# Altium PCB Fri3D_2020_03.PcbDoc (part 3 of 3)
Units mm, origin at the board's own origin, x right, y up, seen from the top; angles counter-clockwise.
Board outline 134.73 x 117.95 mm, 2 copper layers (Top Layer, Bottom Layer), stack 1.571 mm thick; 120 components, 88 nets, 479 pads, 206 vias.
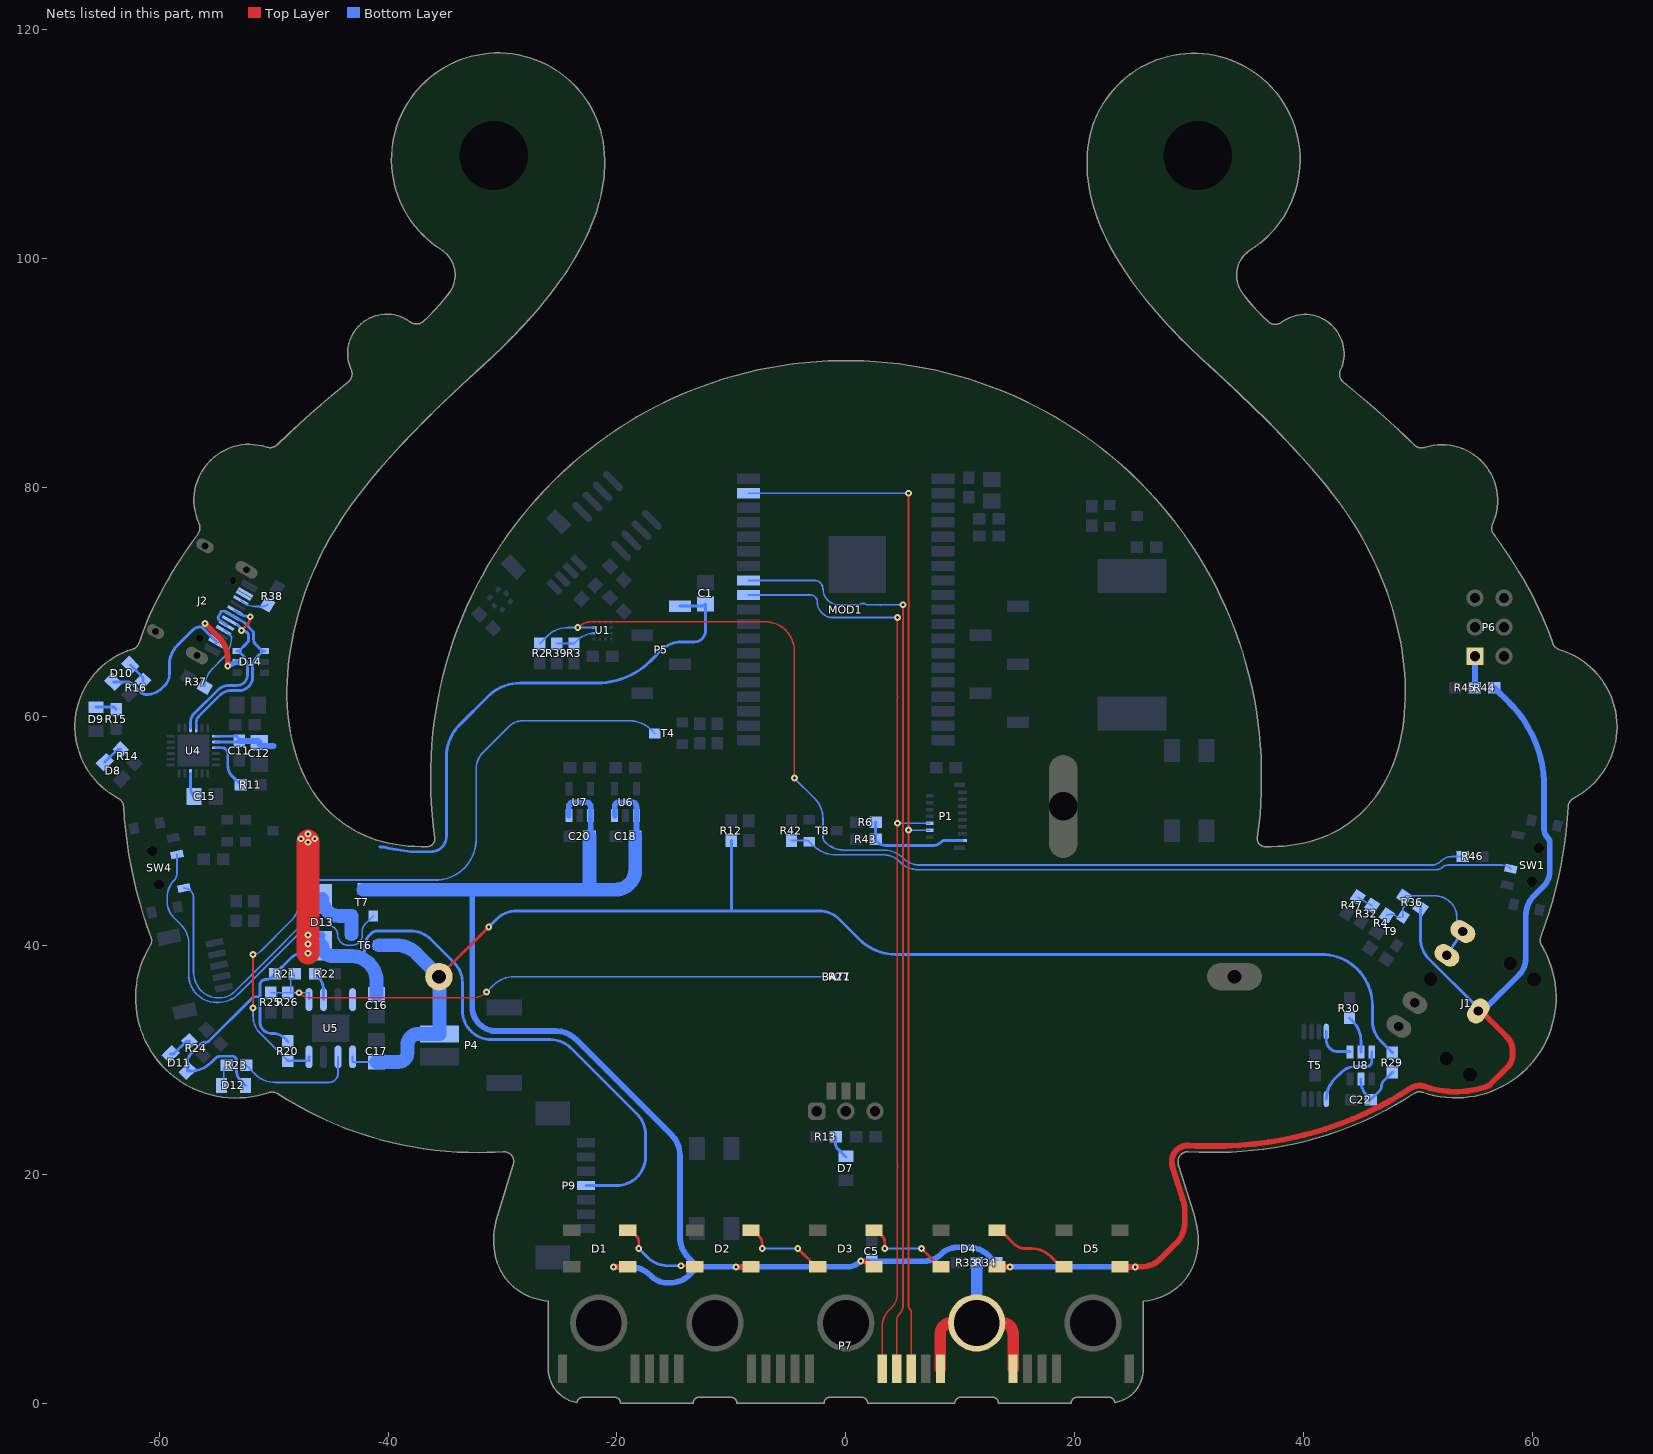
[diagram p3: the nets of this part, all layers, seen from the top]

## Via types
v1: diameter 0.6, hole 0.25, Top Layer to Bottom Layer, tented top, 206 vias

## Nets (pads, with @x,y where several pads share a name; then routed paths per layer and width w, separated by ;. In a path a pad name is that pad's centre, name@x,y a point inside that pad or via, vN(x,y) a via of type N, cw(c..) or ccw(c..) an arc to the next point about the centre after c; other vN are vias at no path point) (continued)
NetC22_1: C22.1 R29.2 U8.5 | length 5.2
  Bottom Layer w0.25: U8.5@45,28.325 44.98,28.269 ccw(c47.252,28.269) 45.807,26.515 C22.1@45.85,26.5 46.623,27.273 ccw(c46.196,27.7) 46.8,27.7 cw(c47.404,27.7) 46.977,28.127 R29.2@47.75,28.9
NetD1_2: D1.2 D2.4 | length 7.5
  Top Layer w0.25: D1.2@-19.05,15.1 cw(c-19.05,14.496) -18.623,14.923 -18.3,14.6 cw(c-18.783,14.117) -18.1,14.117 v1(-18.1,13.5) ; v1(-14.4,12) -13.441,12 cw(c-13.441,11.659) D2.4@-13.2,11.9
  Bottom Layer w0.25: v1(-18.1,13.5) -17.344,12.744 ccw(c-15.548,14.54) -15.548,12 v1(-14.4,12)
NetD2_2: D2.2 D3.4 | length 7.6
  Top Layer w0.15: D3.4@-2.706,12.006 ccw(c-2.45,12.262) D3.4@-2.45,11.9
  Top Layer w0.25: D2.2@-8.3,15.1 cw(c-8.3,14.617) -7.959,14.959 -7.6,14.6 cw(c-8.324,13.876) -7.3,13.876 v1(-7.3,13.5) ; v1(-4.2,13.5) D3.4@-2.706,12.006
  Bottom Layer w0.15: v1(-7.3,13.5) v1(-4.2,13.5)
NetD3_2: D3.2 D4.4 | length 7.6
  Top Layer w0.25: D3.2@2.45,15.1 cw(c2.45,14.6) 2.804,14.953 3.19,14.568 cw(c2.682,14.06) 3.4,14.06 v1(3.4,13.5) ; v1(6.6,13.5) 8.129,11.971 ccw(c8.3,12.141) D4.4@8.3,11.9
  Bottom Layer w0.15: v1(3.4,13.5) v1(6.6,13.5)
NetD4_2: D4.2 D5.4 | length 7
  Top Layer w0.25: D4.2@13.2,15.1 cw(c13.2,14.376) 13.712,14.888 14.7,13.9 ccw(c15.666,14.866) 15.666,13.5 16.2,13.5 cw(c16.2,11.086) 17.907,12.793 18.623,12.077 ccw(c19.05,12.504) D5.4@19.05,11.9
NetD7_2: D7.2 R13.1 | length 2.1
  Bottom Layer w0.25: R13.1@-0.9,23.25 -0.9,22.661 ccw(c-0.27,22.661) -0.716,22.216 D7.2@0,21.5
NetD8_2: D8.2 R14.1 | length 1.9
  Bottom Layer w0.25: D8.2@-64.742,55.992 -63.634,57.101 R14.1@-63.351,57.101
NetD9_2: D9.2 R15.1 | length 1.8
  Bottom Layer w0.25: D9.2@-65.5,60.8 -63.95,60.8 R15.1@-63.75,60.6
NetD10_2: D10.2 R16.1 | length 1.9
  Bottom Layer w0.25: D10.2@-62.508,64.492 -61.399,63.384 R16.1@-61.399,63.101
NetD11_2: D11.2 R24.1 | length 2.1
  Bottom Layer w0.25: D11.2@-58.992,30.492 -58.743,30.492 -57.635,31.601 R24.1@-57.351,31.601
NetD12_2: D12.2 R23.1 | length 1.9
  Bottom Layer w0.15: D12.2@-54.55,27.75 -54.346,27.954 -54.346,29.254 R23.1@-54.1,29.5
NetJ1_3: J1.3 J1.5 R4.2 R36.2 T9.3 | length 12.9
  Bottom Layer w0.15: R4.2@47.266,42.632 47.79,42.722 48.26,42.426 T9.3@48.671,42.495 cw(c48.727,42.551) 48.648,42.551 48.648,43.079 cw(c49.056,43.079) 48.767,43.368 48.866,43.466 ccw(c48.696,43.637) 48.937,43.637 48.937,43.884 ccw(c48.454,43.884) R36.2@48.795,44.225 cw(c49.013,44.008) 49.013,44.315 51.463,44.315 cw(c51.463,42.406) 52.813,43.756 52.881,43.688 cw(c51.697,42.504) 53.372,42.504 53.372,42.373 ccw(c54.949,42.373) 53.834,41.258 J1.3@53.901,41.191
  Bottom Layer w0.25: J1.5@52.503,39.119 J1.3@53.901,41.191
NetJ2_A5: J2.A5 R37.1 | length 6
  Bottom Layer w0.15: R37.1@-56.014,62.575 cw(c-53.815,62.575) -55.37,64.13 -54.438,65.062 ccw(c-56.268,66.891) -53.68,66.891 ccw(c-53.896,66.891) -53.744,67.044 -54.112,67.412 ccw(c-54.363,67.161) J2.A5@-54.363,67.516
NetJ2_B5: J2.B5 R38.1 | length 2.5
  Bottom Layer w0.15: J2.B5@-52.863,70.114 ccw(c-51.622,71.355) -51.622,69.6 -50.921,69.6 ccw(c-50.921,70.16) R38.1@-50.525,69.764
NetP1_15: P1.15 R6.1 R43.1 | length 9.4
  Bottom Layer w0.25: R6.1@2.6,50.75 R43.1@2.6,49.25 2.67,49.082 ccw(c3.592,50.005) 3.592,48.7 7.576,48.7 ccw(c7.576,49.724) 8.3,49 cw(c8.662,48.638) 8.662,49.15 P1.15@10.188,49.15
NetP6_1: P6.1 R44.1 R45.2 | length 2.8
  Bottom Layer w0.5: R44.1@54.95,62.5 ccw(c54.926,62.524) 54.96,62.524 P6.1@54.96,65.25
NetP7_18: P7.18 P7.19 P7.20 R33.2 R34.1 | length 18.8
  Top Layer w1: P7.18@8.255,3 8.255,6.086 cw(c9.169,6.086) 9.169,7 P7.19@11.43,7 13.691,7 cw(c13.691,6.086) 14.605,6.086 P7.20@14.605,3
  Bottom Layer w1: R33.2@11.42,12.25 11.43,12.25 P7.19@11.43,7
NetR2_2: R2.2 R46.1 U1.12 | length 99.8
  Top Layer w0.15: v1(-23.42,67.75) cw(c-22.213,66.543) -22.213,68.25 -7.04,68.25 cw(c-7.04,65.71) -4.5,65.71 v1(-4.5,54.6)
  Bottom Layer w0.15: R2.2@-26.75,66.35 -26.094,67.006 cw(c-24.298,65.21) -24.298,67.75 v1(-23.42,67.75) U1.12@-22,67.75 ; v1(-4.5,54.6) -2.744,52.844 cw(c-4.54,51.048) -2,51.048 -2,49.483 ccw(c-1.317,49.483) -1.8,49 ccw(c-0.11,50.69) -0.11,48.3 3.372,48.3 cw(c3.372,46.06) 4.956,47.644 ccw(c6.511,49.199) 6.511,47 51.155,47 ccw(c51.155,48.195) 52,47.35 cw(c52.965,46.385) 52.965,47.75 R46.1@53.9,47.75
NetR3_2: R3.2 R39.1 U1.11 | length 3.5
  Bottom Layer w0.15: R39.1@-25.25,66.35 R3.2@-23.75,66.35 -23.451,66.649 cw(c-22,65.198) U1.11@-22,67.25
NetR11_2: R11.2 U4.9 | length 4.5
  Bottom Layer w0.25: U4.9@-55.025,57.25 -54.5,57.25 cw(c-54.5,56.75) -54,56.75 -54,55.698 ccw(c-52.677,55.698) -53.612,54.762 R11.2@-52.85,54
NetR20_2: R20.2 T4.3 U5.8 | length 62.2
  Top Layer w0.15: v1(-51.8,34.5) v1(-51.8,39.2)
  Bottom Layer w0.15: v1(-51.8,34.5) -51.8,33.858 ccw(c-49.608,33.858) -51.158,32.308 R20.2@-48.75,29.9 ; v1(-51.8,39.2) ccw(c-51.8,40.166) -51.117,39.483 -48.444,42.156 ccw(c-50.24,43.952) -47.7,43.952 -47.7,44.9 cw(c-46.912,44.9) -46.912,45.688 -35.876,45.688 ccw(c-35.876,49.264) -32.3,49.264 -32.3,55.385 cw(c-30.212,55.385) -31.688,56.862 -29.458,59.092 cw(c-28.232,57.867) -28.232,59.6 -18.852,59.6 cw(c-18.852,57.06) -17.056,58.856 T4.3@-16.7,58.5
  Bottom Layer w0.25: R20.2@-48.75,29.9 -46.905,29.9 U5.8@-46.905,30.25
NetR22_1: R22.1 U5.2 | length 2.5
  Bottom Layer w0.25: R22.1@-46.35,37.5 -46.24,37.455 cw(c-47.702,35.993) -45.635,35.993 U5.2@-45.635,35.25
NetR30_1: R30.1 U8.2 | length 3.3
  Bottom Layer w0.25: R30.1@44,33.65 44.256,33.394 cw(c42.46,31.598) 45,31.598 U8.2@45,30.675
NetR32_1: R32.1 R47.1 | length 1.5
  Bottom Layer w0.15: R47.1@44.725,44.205 R32.1@45.975,43.455
NetR42_1: R42.1 SW1.2 T8.1 | length 63.8
  Bottom Layer w0.15: R42.1@-4.75,49.15 -3.442,49.15 cw(c-3.442,48.808) T8.1@-3.2,49.05 -2.894,48.744 ccw(c-0.836,50.802) -0.836,47.892 3.295,47.892 cw(c3.295,45.922) 4.744,47.256 ccw(c6.32,48.821) 6.32,46.6 51.617,46.6 ccw(c51.617,47.283) 52.1,46.8 cw(c52.583,46.317) 52.583,47 57.347,47 cw(c57.347,45.95) SW1.2@58.089,46.693
NetT5_4: T5.4 U8.1 | length 3.4
  Bottom Layer w0.25: T5.4@41.975,32.45 41.975,31.725 ccw(c43,31.725) 43,30.7 44.025,30.7 cw(c44.025,30.675) U8.1@44.05,30.675
NetT5_5: T5.5 U8.3 | length 6.7
  Bottom Layer w0.25: T5.5@41.975,26.55 cw(c44.45,26.55) 42.7,28.3 43.3,28.9 cw(c44.507,27.693) 44.507,29.4 45.5,29.4 ccw(c45.5,29.85) 45.95,29.85 U8.3@45.95,30.675
PWR.EN: SW4.2 T7.1 | length 34
  Bottom Layer w0.15: SW4.2@-58.442,47.929 -58.442,46.25 cw(c-59.251,46.25) -58.679,45.678 ccw(c-57.179,44.178) -59.3,44.178 -59.3,43.849 ccw(c-57.251,43.849) -59.3,43.817 ccw(c-57.251,43.849) -58.7,42.4 -58.107,41.807 cw(c-59.814,40.1) -57.4,40.1 -57.4,37.39 ccw(c-55.01,37.39) -56.7,35.7 ccw(c-55.01,37.39) -55.01,35 -54.852,35 ccw(c-54.852,37.54) -53.056,35.744 -47.707,41.093 cw(c-46.206,39.591) -46.206,41.715 -45.215,41.715 cw(c-45.215,40.9) -44.4,40.9 ccw(c-43.5,40.9) -43.5,40 -43.152,40 ccw(c-43.152,40.974) -42.463,40.285 ccw(c-42.976,40.799) -42.25,40.799 -42.25,41.25 cw(c-41.405,41.25) -42.003,41.848 T7.1@-41.3,42.55
S\T\D\B\Y\: R23.2 U5.6 | length 10.4
  Bottom Layer w0.15: R23.2@-52.4,29.5 -51.655,28.755 ccw(c-49.857,30.552) -49.857,28.01 -45.19,28.01 ccw(c-45.19,28.835) -44.365,28.835 U5.6@-44.365,30.25
SPI.CLK: MOD1.30 P1.10 P7.14 | length 83
  Top Layer w0.15: P7.14@3.175,3 3.175,6.664 cw(c5.206,6.664) 3.77,8.1 3.975,8.305 ccw(c2.708,9.572) 4.5,9.572 4.5,20.533 ccw(c4,20.693) 4.5,20.853 4.5,21.446 v1(4.5,50.65) 4.5,61.1 4.5,61.55 ccw(c4,61.71) 4.5,61.87 4.5,62.1 v1(4.5,68.623)
  Bottom Layer w0.15: MOD1.30@-8.5,70.598 -3.097,70.598 cw(c-3.097,70.001) -2.5,70.001 ccw(c-1.122,70.001) -1.122,68.623 v1(4.5,68.623) ; v1(4.5,50.65) P1.10@7.312,50.65
SPI.DI: MOD1.31 P7.15 | length 81.7
  Top Layer w0.15: P7.15@4.445,3 4.445,7.209 cw(c5.281,7.209) 4.69,7.8 ccw(c3.942,8.548) 5,8.548 5,49.816 cw(c5.47,50.05) 4.945,50.05 cw(c5.47,50.05) 5,50.284 5,50.49 ccw(c4.5,50.65) 5,50.81 5,68.463 ccw(c4.5,68.623) 5,68.783 v1(5,69.74)
  Bottom Layer w0.15: MOD1.31@-8.5,71.868 -2.74,71.868 cw(c-2.74,71.128) -2,71.128 ccw(c-0.612,71.128) -0.612,69.74 0.84,69.74 1.175,69.74 cw(c1.5,69.328) 1.825,69.74 2.875,69.74 ccw(c3,70.25) 3.125,69.74 v1(5,69.74)
SPI.DO: MOD1.37 P1.12 P7.16 | length 92.4
  Top Layer w0.15: v1(5.47,79.488) 5.47,69.974 cw(c5,69.74) 5.47,69.506 v1(5.47,50.05) 5.47,42.27 5.47,40.434 5.47,9.271 5.47,8.514 ccw(c5.914,8.514) 5.6,8.2 cw(c5.322,7.922) 5.715,7.922 P7.16@5.715,3
  Bottom Layer w0.15: MOD1.37@-8.5,79.488 v1(5.47,79.488) ; v1(5.47,50.05) P1.12@7.312,50.05
TEMP: R21.2 R25.1 R26.1 R27.1 U5.1 | length 53.4
  Top Layer w0.15: v1(-47.786,35.85) ccw(c-46.7,36.936) -46.7,35.4 -32.607,35.4 ccw(c-32.607,37.107) v1(-31.4,35.9)
  Bottom Layer w0.15: R25.1@-50.25,35.85 R26.1@-48.75,35.85 R26.1@-48.5,35.85 ; R21.2@-48.15,37.5 -48.5,37.5 R26.1@-48.5,35.85 ; U5.1@-46.905,35.25 -46.905,35.85 v1(-47.786,35.85) R26.1@-48.5,35.85 ; v1(-31.4,35.9) -30.792,36.508 cw(c-28.996,34.712) -28.996,37.252 R27.1@-1.048,37.252
USB.D_n: D14.1 J2.A7 J2.B7 U4.4 | length 17
  Bottom Layer w0.25: U4.4@-56.75,58.975 -56.75,59.497 cw(c-56.057,59.497) -56.547,59.987 -54.719,61.815 cw(c-53.669,60.765) -53.669,62.25 -52.998,62.25 ccw(c-52.998,63.411) -51.838,63.411 -51.838,64.207 cw(c-50.44,64.207) -51.428,65.196 D14.1@-51.012,65.612 ; J2.B7@-54.113,67.949 -54.091,67.994 cw(c-53.863,68.382) -54.204,68.088 -54.704,68.377 cw(c-54.566,68.615) -54.804,68.752 -54.579,69.143 -54.34,69.207 J2.A7@-53.689,68.831 ; J2.A7@-53.679,68.83 -52.527,68.165 -51.74,67.377 -51.74,66.731 ccw(c-51.068,66.731) -51.543,66.256 -50.987,65.7 D14.1@-50.8,65.7
USB.D_p: D14.6 J2.A6 J2.B6 U4.3 | length 16.1
  Top Layer w0.25: v1(-52.795,67.5) -52.354,67.941 ccw(c-53.113,68.7) v1(-52.04,68.7)
  Bottom Layer w0.25: U4.3@-57.25,58.975 -57.25,59.497 cw(c-56.227,59.497) -56.951,60.219 -54.905,62.265 cw(c-53.855,61.215) -53.855,62.7 -53.184,62.7 ccw(c-53.184,63.596) -52.288,63.596 -52.288,64.381 ccw(c-53.603,64.381) -52.673,65.311 D14.6@-53.062,65.7 ; J2.B6@-53.363,69.248 ccw(c-52.04,70.571) v1(-52.04,68.7) ; D14.6@-53.2,65.7 D14.6@-53.062,65.7 ; -53.172,68.014 -52.893,67.735 cw(c-53.127,67.5) v1(-52.795,67.5) -52.777,67.5 cw(c-52.777,66.83) -52.303,67.304 ; -52.303,67.304 -52.19,67.191 -52.19,66.731 ccw(c-51.068,66.731) -52.185,66.622 cw(c-53.129,67.08) -52.387,66.338 -53.025,65.7 D14.6@-53.062,65.7
VB-S: D13.C SW4.1 T6.2 T7.2 | length 29.1
  Bottom Layer w0.15: SW4.1@-57.818,44.994 cw(c-57.818,44.214) -57.266,44.766 -57.2,44.7 cw(c-57.683,44.217) -57,44.217 -57,37.69 ccw(c-54.61,37.69) -56.3,36 ccw(c-54.851,37.449) -54.851,35.4 -54.7,35.4 ccw(c-54.7,37.229) -53.407,35.936 -51.787,37.555 -46.074,43.269 ccw(c-46.855,44.05) D13.C@-45.75,44.05
  Bottom Layer w1.2: D13.C@-45.75,44.05 ccw(c-44.25,44.05) -44.25,42.55 T7.2@-43.2,42.55 T6.2@-43.2,40.95
VBAT: BAT1.1 C17.1 P4.1 R12.1 R29.1 T6.3 U5.5 | length 119.7
  Top Layer w0.25: BAT1.1@-35.548,37.252 v1(-31.2,41.6)
  Bottom Layer w0.15: BAT1.1@-35.548,37.252 BAT1.1@-35.502,37.252
  Bottom Layer w0.2: U5.5@-43.095,30.25 -43.095,29.8 C17.1@-41,29.8
  Bottom Layer w0.25: BAT1.1@-35.548,37.252 BAT1.1@-35.525,37.275 ; v1(-31.2,41.6) -30.544,42.256 cw(c-28.748,40.46) -28.748,43 -10,43 ; R12.1@-10,49.15 -10,43 ; R29.1@47.75,30.6 46.744,31.606 cw(c48.54,33.402) 46,33.402 46,34.74 ccw(c41.54,34.74) 41.54,39.2 4.341,39.2 cw(c4.341,43.645) 1.198,40.502 -0.556,42.256 ccw(c-2.352,40.46) -2.352,43 -10,43
  Bottom Layer w1.2: C17.1@-41,29.8 -39.1,29.8 ccw(c-39.1,30.6) -38.3,30.6 -38.3,31.3 cw(c-37.35,31.3) -37.35,32.25 P4.1@-35.5,32.25 -35.5,37.25 -35.502,37.252 -35.525,37.275 -37.506,39.256 ccw(c-39.302,37.46) -39.302,40 T6.3@-40.8,40
Vpp: C15.2 U4.16 | length 2.1
  Bottom Layer w0.25: U4.16@-57.25,55.025 -57.25,53.724 ccw(c-56.226,53.724) C15.2@-56.95,53
VSYS: C5.1 C18.1 C20.1 D1.1 D2.1 D3.1 D4.1 D5.1 J1.1 R34.2 R36.1 R44.2 T7.3 U6.1 U6.3 U7.1 U7.3 | length 236.2
  Top Layer w0.5: v1(-20.3,11.9) D1.1@-19.05,11.9 ; v1(-9.6,11.9) D2.1@-8.3,11.9 ; v1(1.3,12.4) cw(c1.3,10.831) 2.41,11.94 D3.1@2.45,11.9 ; D4.1@13.2,11.9 v1(14.328,11.9) ; D5.1@23.95,11.9 v1(25.279,11.9) 25.748,11.9 ccw(c25.748,14.44) 27.544,12.644 28.856,13.956 ccw(c27.06,15.752) 29.6,15.752 29.6,16.91 ccw(c27.21,16.91) 29.55,17.395 29.415,17.833 29.038,19.05 28.868,19.597 28.533,20.68 cw(c29.058,20.843) 28.524,20.712 28.499,20.812 cw(c29.033,20.944) 28.484,20.911 28.472,21.117 cw(c29.021,21.15) 28.48,21.249 28.517,21.453 cw(c29.058,21.354) 28.556,21.58 28.641,21.768 cw(c29.143,21.543) 28.69,21.855 28.749,21.94 cw(c29.202,21.628) 28.79,21.993 28.858,22.07 cw(c29.27,21.706) 28.931,22.139 29.093,22.267 cw(c29.433,21.834) 29.207,22.335 29.395,22.421 cw(c29.622,21.92) 29.521,22.46 29.725,22.498 cw(c29.826,21.957) 29.824,22.507 29.928,22.508 cw(c29.929,21.958) 29.964,22.507 30.598,22.466 30.721,22.463 31.026,22.456 32.965,22.456 cw(c32.965,22.265) 33.009,22.451 33.136,22.452 34.404,22.519 35.669,22.634 36.928,22.797 38.179,23.009 39.422,23.268 40.038,23.422 40.655,23.577 41.878,23.94 43.084,24.353 44.272,24.817 45.427,25.323 45.44,25.329 46.585,25.89 47.706,26.497 48.526,26.987 48.84,27.178 49.216,27.424 ; 49.369,27.522 49.365,27.52 ; J1.1@55.25,34.25 cw(c55.25,33.646) 55.677,34.073 57.723,32.027 cw(c56.452,30.755) 58.25,30.755 58.25,30.398 cw(c56.779,30.398) 57.819,29.358 56.28,27.819 cw(c55.631,28.469) 56.182,27.734 55.965,27.646 55.631,27.55 55.16,27.414 54.336,27.265 53.501,27.201 52.664,27.222 51.833,27.328 51.018,27.517 50.622,27.653 ccw(c50.443,27.133) 50.599,27.66 50.498,27.69 ccw(c50.342,27.163) 50.406,27.709 50.197,27.733 ccw(c50.134,27.187) 50.072,27.733 49.863,27.71 ccw(c49.925,27.163) 49.741,27.681 49.543,27.611 ccw(c49.727,27.093) 49.457,27.572 49.365,27.52 ; 49.216,27.424 49.334,27.501 ; 49.216,27.424 49.334,27.501 ; 49.334,27.501 cw(c49.635,27.041) 49.365,27.52 ; 49.334,27.501 cw(c49.635,27.041) 49.365,27.52
  Bottom Layer w0.25: R36.1@50.205,43.275 50.205,40.597 ccw(c52.745,40.597) 50.949,38.801 55.073,34.677 cw(c54.646,34.25) J1.1@55.25,34.25
  Bottom Layer w0.5: -32.644,44.851 -32.644,34.606 ccw(c-30.538,34.606) -30.538,32.5 ; -30.848,32.5 -30.538,32.5 ; U7.3@-24.2,51.325 -24.2,52.1 cw(c-23.8,52.1) -23.8,52.5 -22.7,52.5 cw(c-22.7,52.1) -22.3,52.1 U7.1@-22.3,51.325 -22.3,49.6 C20.1@-22.4,49.5 ; v1(-20.3,11.9) -18.869,11.9 cw(c-18.869,9.36) -17.073,11.156 -17,11.083 ccw(c-15.592,12.492) -15.592,10.5 -15.407,10.5 ccw(c-15.407,13.04) -13.611,11.244 -12.955,11.9 ; U6.3@-20.2,51.325 -20.2,52.1 cw(c-19.8,52.1) -19.8,52.5 -18.7,52.5 cw(c-18.7,52.1) -18.3,52.1 U6.1@-18.3,51.325 -18.3,49.6 C18.1@-18.4,49.5 ; v1(25.279,11.9) v1(14.328,11.9) 13.965,11.9 cw(c13.965,13.095) R34.2@13.12,12.25 12.514,12.856 ccw(c10.718,11.06) 10.718,13.6 9.749,13.6 ccw(c9.749,11.551) 8.3,13 cw(c6.851,14.449) 6.851,12.4 C5.1@2.25,12.4 v1(1.3,12.4) cw(c0.093,13.607) 0.093,11.9 v1(-9.6,11.9) -12.955,11.9 ; J1.1@55.25,34.25 ccw(c55.25,35.216) 55.933,34.533 58.8,37.4 ccw(c57.351,38.849) 59.4,38.849 59.4,42.548 cw(c61.94,42.548) 60.144,44.344 60.956,45.156 ccw(c59.643,46.469) 61.5,46.469 61.5,48.917 ccw(c60.817,48.917) 61.3,49.4 cw(c62.024,50.124) 61,50.124 61,53.864 ccw(c50.654,53.864) 57.97,61.18 R44.2@56.65,62.5 ; -30.538,32.5 -25.352,32.5 cw(c-25.352,29.96) -23.556,31.756 -15.244,23.444 cw(c-17.04,21.648) -14.5,21.648 -14.5,14.497 ccw(c-11.96,14.497) -13.756,12.701 -12.955,11.9
  Bottom Layer w1.2: T7.3@-42.151,44.851 -32.644,44.851 -22.4,44.851 ; C20.1@-22.4,49.5 -22.4,44.851 ; C18.1@-18.4,49.5 -18.4,46.58 cw(c-20.129,46.58) -20.129,44.851 -22.4,44.851
VUSB: C1.1 C11.1 C12.2 C16.1 D10.1 D11.1 D12.1 D13.A D14.5 J2.A4 J2.A9 J2.B4 J2.B9 P5.1 P9.4 R20.1 R21.1 T6.1 U4.7 U4.8 U5.4 | length 168.8
  Top Layer w0.5: v1(-56,68.1) -54.744,66.844 cw(c-56.54,65.048) -54,65.048 v1(-54,64.4)
  Top Layer w2: v1(-47,39.3) v1(-47,40.1) v1(-47,40.9) v1(-47,49) v1@-47,49.1
  Bottom Layer w0.25: D10.1@-63.992,63.008 -62.801,63.008 cw(c-62.801,62.299) -62.3,62.8 -61.612,62.112 ccw(c-61.1,62.624) -61.1,61.9 ccw(c-61.1,63.831) -59.734,62.466 -59.5,62.7 ccw(c-60.466,63.666) -59.1,63.666 -59.1,64.51 cw(c-56.71,64.51) -58.4,66.2 -57.083,67.517 cw(c-56.4,66.834) -56.4,67.8 cw(c-56.4,67.45) -56.153,67.698 -55.846,67.391 -55.132,66.677 cw(c-55.418,66.39) J2.A4@-55.013,66.39 ; U4.8@-55.025,57.75 -53.1,57.75 C11.1@-53,57.85 -53,58 -53.25,58.25 U4.7@-55.025,58.25 ; D12.1@-52.45,27.75 -52.861,28.161 cw(c-51.922,29.1) -53.25,29.1 -53.25,29.95 ccw(c-53.6,29.95) -53.6,30.3 -54.617,30.3 ccw(c-54.617,29.617) -55.1,30.1 -55.449,29.751 cw(c-57.245,31.548) -57.245,29.008 D11.1@-57.508,29.008 -57.508,29.789 cw(c-56.409,29.789) -57.186,30.566 -56.429,31.322 cw(c-56,30.893) -56,31.5 ccw(c-56,32.085) -55.586,31.671 -51.94,35.318 cw(c-51.5,34.878) -51.5,35.5 -51.2,35.5 ; R20.1@-48.75,31.6 -48.991,31.84 ccw(c-50.1,30.731) -50.1,32.3 -50.2,32.3 cw(c-50.2,33.3) -51.2,33.3 -51.2,35.5 ; v1(-47,39.3) -47.459,39.3 ccw(c-47.459,37.873) -48.468,38.882 R21.1@-49.85,37.5 -50.102,37.248 cw(c-50.7,37.845) -50.7,37 ccw(c-50.7,36.5) -51.2,36.5 -51.2,35.5 ; D13.A@-45.75,39.3 D13.A@-45.75,39.95 ; -42.406,38.902 ccw(c-43.386,39.882) -42,39.882 -42,40 cw(c-40.793,40) -41.646,40.854 -41.5,41 cw(c-40.896,40.396) -40.896,41.25 -38.052,41.25 cw(c-38.052,38.71) -36.256,40.506 -34.244,38.494 cw(c-36.04,36.698) -33.5,36.698 -33.5,34.29 ccw(c-30.96,34.29) -30.96,31.75 -25.802,31.75 cw(c-25.802,29.21) -24.006,31.006 -18.244,25.244 cw(c-20.04,23.448) -17.5,23.448 -17.5,21.54 cw(c-20.04,21.54) -20.04,19 P9.4@-22.7,19 ; -40.7,48.6 -40.68,48.58 -40.376,48.58 -39.881,48.444 -38.009,48.162 -36.238,48.162 ccw(c-36.238,49.5) -34.9,49.5 -34.9,56.456 cw(c-30.93,56.456) -33.737,59.263 -31.271,61.729 cw(c-28.444,58.903) -28.444,62.9 -21.769,62.9 ccw(c-21.769,69.586) -17.042,64.858 -16.144,65.756 cw(c-14.348,63.96) -14.348,66.5 -13.25,66.5 ccw(c-13.25,67.5) -12.25,67.5 C1.1@-12.25,69.8 cw(c-12.685,70.235) -12.685,69.62 P5.1@-14.5,69.62
  Bottom Layer w0.5: v1(-54,64.4) D14.5@-53.2,64.75 ; C11.1@-53,57.85 -51.4,57.85 cw(c-51.4,57.7) C12.2@-51.25,57.7 ccw(c-50.95,57.7) -50.95,57.4 -50,57.4 ; D13.A@-46.112,40.1 cw(c-46.112,39.588) D13.A@-45.75,39.95 D13.A@-45.75,40.9
  Bottom Layer w0.6: v1(-47,39.3) D13.A@-45.75,39.3 ; v1(-47,40.1) D13.A@-46.112,40.1 ; v1(-47,40.9) D13.A@-45.75,40.9
  Bottom Layer w1.2: D13.A@-45.75,39.95 ccw(c-44.85,39.95) -44.85,39.05 T6.1@-43.2,39.05 cw(c-43.2,36.85) -42.406,38.902 cw(c-43.2,36.85) -41,36.85 C16.1@-41,35.7
  other v1: -47.6,49.3 -46.4,49.3 -47,49.7
pads on no net: D14.4 J1.0 J2.0 J2.A8 J2.B8 MOD1.32 P1.13 P1.MH1 P1.MH2 P2.Z1 P2.Z2 P3.Z1 P3.Z2 P4.M1 P4.M2 P5.3 P5.4 P8.1 P8.4 P8.5 P9.MP1 P9.MP2 SW1.M1 SW1.M2 SW1.M3 SW1.M4 SW1.M5 SW1.M6 SW4.M1 SW4.M2 SW4.M3 SW4.M4 SW4.M5 SW4.M6 T5.1 T5.8 U2.1 U2.2 U2.3 U2.7 U3.3 U4.1 U4.10 U4.11 U4.12 U4.13 U4.14 U4.15 U4.17 U4.18 U4.22 U4.24 U6.4 U7.4 U8.4

## Polygon pours and split planes (outlines as drawn)
no net on Top Overlay "NONET_L-01_P-001" (solid): 156 vertices, not listed, extent -67.352,0.029 67.377,117.954
GND on Top Layer "NONET_L-01_P-001" (solid, remove dead copper, pour order 2): -70,120 70,120 70,0 -70,0
GND on Bottom Layer "NONET_L-01_P-001" (solid, remove dead copper, pour order 3): 30.125,20.94 -31.056,20.94 ccw(c-29.26,19.144) -31.8,19.144 -31.8,3.552 ccw(c-29.26,3.552) -31.056,1.756 -28.9,-0.4 27.448,-0.4 ccw(c27.448,2.14) 29.244,0.344 33.3,4.4
VUSB on Bottom Layer "NONET_L-01_P-001" (solid, remove dead copper, pour order 1): -56.171,65.523 cw(c-56.171,68.063) -57.967,66.267 -61.359,69.659 cw(c-61.017,70) -61.5,70 -61.5,71.648 cw(c-58.96,71.648) -60.756,73.444 -57.7,76.5 -43.4,76.5 -35,68.1 -37.143,49.117 -35.793,47.3 -49.3,47.3 -49.3,54.41 ccw(c-51.69,54.41) -50,56.1 cw(c-49.276,56.824) -50.3,56.824 -50.3,69.6 -51.417,69.6 ccw(c-51.417,68.918) -51.9,69.4 -51.9,68.975 cw(c-54.439,68.975) -52.644,67.179 -54.3,65.523

## Keep-outs
Bottom Layer:
  region: -21.59,10 ccw(c-21.59,7) -24.59,7 -24.59,0 -18.59,0 -18.59,7 ccw(c-21.59,7)
  region: -11.43,10 ccw(c-11.43,7) -14.43,7 -14.43,0 -8.43,0 -8.43,7 ccw(c-11.43,7)
  region: 11.43,10 ccw(c11.43,7) 8.43,7 8.43,0 14.43,0 14.43,7 ccw(c11.43,7)
  region: 0,10 ccw(c0,7) -3,7 -3,0 3,0 3,7 ccw(c0,7)
Keep-Out Layer:
  rectangle: -25,81.9 24.5,92.25
  text ".Layer_Name" at 236.902,-46.311 h3.5

## Other copper
Top Layer:
  text ".Layer_Name" at 236.902,-46.311 h3.5
Bottom Layer:
  rectangle net GND: -47.8,31.6 -46,33.9
  region net GBAT: 40.4,29.8 41.6,29.8 41.6,32.9 ccw(c41.3,32.9) 41.3,33.2 40.7,33.2 ccw(c40.7,32.9) 40.4,32.9
  region net GND: -39.5,34.5 -42.1,34.5 ccw(c-42.1,34.2) -42.4,34.2 cw(c-42.7,34.2) -42.7,33.9 -43.9,33.9 -43.9,31.6 -42.761,31.6 cw(c-42.73,31.27) -42.4,31.3 ccw(c-42.13,31.27) -42.161,31 -39.4,31
  region net VUSB: -40.5,35.1 -42.5,35.1 ccw(c-42.5,34.9) -42.7,34.9 -42.7,34.6 cw(c-43.1,34.6) -43.1,34.2 cw(c-43.1,34.6) -43.5,34.6 -43.5,35.9 cw(c-43.1,35.9) -43.1,36.3 -40.5,36.3
  region net VBAT: -40.5,30.4 -42.5,30.4 cw(c-42.5,30.6) -42.7,30.6 -42.7,30.9 ccw(c-43.1,30.9) -43.1,31.3 ccw(c-43.1,30.9) -43.5,30.9 -43.5,29.6 ccw(c-43.1,29.6) -43.1,29.2 -40.5,29.2
  region net 3V3_USB: -55,59.25 ccw(c-54.75,59.25) -54.75,59 -53,59 -53,59.5 -54,59.5 cw(c-54,59.75) -54.25,59.75 -54.25,60.25 cw(c-54,60.25) -54,60.5 -52.75,60.5 -52.75,61.5 -54,61.5 ccw(c-54,60.5) -55,60.5
  region net GND: 40.65,25.75 cw(c40.65,25.95) 40.45,25.95 40.45,27.35 cw(c40.45,27.65) 40.15,27.65 40.15,28.05 ccw(c39.95,28.05) 39.95,28.25 cw(c39.95,28.55) 39.65,28.55 39.65,28.65 cw(c40.15,28.65) 40.15,29.15 41.15,29.15 41.15,25.75
  region net GND: 41.35,25.75 ccw(c41.35,25.95) 41.55,25.95 41.55,27.35 ccw(c41.55,27.65) 41.85,27.65 41.85,28.05 cw(c42.05,28.05) 42.05,28.25 ccw(c42.05,28.55) 42.35,28.55 42.35,28.65 ccw(c41.85,28.65) 41.85,29.15 40.85,29.15 40.85,25.75
  region net GND: -51.636,70.734 -51.419,71.11 ccw(c-52.602,71.793) -51.283,72.146 -51.414,72.636 ccw(c-51.881,72.511) -51.639,72.929 -52.592,73.479 ccw(c-52.842,73.046) -53.275,73.296 ccw(c-52.842,73.046) -53.092,72.613 -52.832,72.463 cw(c-53.032,72.117) -52.686,71.917 -52.936,71.484
  region net GND: -54.536,65.711 -54.754,65.335 cw(c-55.936,66.018) -55.583,64.698 -56.073,64.567 cw(c-56.198,65.034) -56.439,64.615 -57.392,65.165 cw(c-57.142,65.598) -57.575,65.848 cw(c-57.142,65.598) -56.892,66.031 -56.632,65.881 ccw(c-56.432,66.228) -56.085,66.028 -55.836,66.461
  region net GND: 23.992,0.328 cw(c23,3) 23.604,0.215 23.595,0.243 ccw(c22.992,0) 22.992,0.65 20.188,0.65 ccw(c20.188,0) 19.555,0.15 19.188,0.15 19.188,4.5 19.59,4.5 19.59,1.267 23.59,1.267 23.59,4.5 23.992,4.5
  region net ESP.IO27: -23.992,0.328 ccw(c-23,3) -23.604,0.215 -23.595,0.243 cw(c-22.992,0) -22.992,0.65 -20.188,0.65 cw(c-20.188,0) -19.555,0.15 -19.188,0.15 -19.188,4.5 -19.59,4.5 -19.59,1.267 -23.59,1.267 -23.59,4.5 -23.992,4.5
  region net NetP7_18: 9.028,0.15 9.028,4 9.43,4 9.43,1.267 13.43,1.267 13.43,4 13.832,4 13.832,0.15 13.465,0.15 ccw(c12.832,0) 12.832,0.65 10.028,0.65 ccw(c10.028,0) 9.395,0.15
  region net ESP.IO13: -2.402,0.15 -2.402,4 -2,4 -2,1.267 2,1.267 2,4 2.402,4 2.402,0.15 2.035,0.15 ccw(c1.402,0) 1.402,0.65 -1.402,0.65 ccw(c-1.402,0) -2.035,0.15
  region net ESP.IO14: -13.832,0.15 -13.832,4 -13.43,4 -13.43,1.267 -9.43,1.267 -9.43,4 -9.028,4 -9.028,0.15 -9.395,0.15 ccw(c-10.028,0) -10.028,0.65 -12.832,0.65 ccw(c-12.832,0) -13.465,0.15
  region net GND: 19.188,4 23.992,4 23.992,7.001 ccw(c21.59,6.859) 19.188,7.001
  region net NetP7_18: 9.028,4 13.832,4 13.832,7.001 ccw(c11.43,6.859) 9.028,7.001
  region net ESP.IO13: -2.402,4 2.402,4 2.402,7.001 ccw(c0,6.859) -2.402,7.001
  region net ESP.IO14: -13.832,4 -9.028,4 -9.028,7.001 ccw(c-11.43,6.859) -13.832,7.001
  region net ESP.IO27: -23.992,4 -19.188,4 -19.188,7.001 ccw(c-21.59,6.859) -23.992,7.001
  region net VUSB: -53.209,71.411 -53.658,71.233 -53.769,71.041 -51.745,69.873 -51.445,70.392
  region net VUSB: -55.846,67.391 -55.973,67.17 -55.909,66.734 -54.396,65.861 -54.096,66.38
  pour cut-out: 19.59,4 19.59,3.91 19.59,1.267 23.59,1.267 23.59,4
  region: 2137 vertices and 5 holes, not listed, extent -43.183,81.87 -32.49,92.057
  region: -44.799,80.1 -44.817,80.1 -44.817,80.083 -44.782,80.083 -44.782,80.1 -44.782,80.117 -44.799,80.118
  region: 570 vertices and 0 holes, not listed, extent -45.759,77.725 -44.666,80.594
  region: 380 vertices and 0 holes, not listed, extent -46.861,80.135 -44.799,81.594
  region: 638 vertices and 0 holes, not listed, extent -48.647,77.61 -45.362,79.995
  region: 460 vertices and 0 holes, not listed, extent -48.572,79.65 -46.769,81.652
  text "0" at -19.59,1.071 h2.3
  text "1" at -9.43,1.071 h2.3
  text "2" at 2,1.071 h2.3
  text "VCC" at 13.43,1.071 h2.3
  text "GND" at 23.59,1.071 h2.3
  text ".Layer_Name" at 236.902,-46.311 h3.5

## Silkscreen, mask and mechanical layers (free items; w line width, h text height)
Top Overlay:
  drawing of 61 lines, arcs and shapes, not listed
  text ".Layer_Name" at 236.902,-46.311 h3.5
Bottom Overlay:
  drawing of 139 lines, arcs and shapes, not listed
  text "ESP32" at 22.37,84.764 h2.5
  text "4MB PSRAM / 16MB FLASH" at 24.35,81.351 h2.5
  text "Naam :" at 55.22,76.513 h2.8 r315
  text "Y" at -25.918,69.1 h2
  text "X" at -24.718,67.3 h2
  text "+" at -64.5,61.25 h4
  text "VSYS - 3V3" at 58.75,60.75 h1.5
  text ".PCB_TITLE / Rev. .PCB_Rev" at -16.5,57.5 h2.5 r359.98
  text "R" at -66.5,56.75 h3 r270
  text "Accelero" at -27.25,54 h2.5
  text "T" at -62.25,52.25 h3 r315
  text "AUTO" at 62.587,50.981 h2.5 r348
  text "ON" at -56.433,50.449 h2.5 r12
  text "Reset" at 32.5,49.75 h2.8 r270
  text "LIS2DH12 / I2C 0x18  / IO36" at -27.25,49.565 h2.5
  text "OFF" at -54.018,43.543 h2.5 r12
  text "ON" at 60.337,40.981 h2.5 r348
  text "S" at -50.25,27.25 h3
  text "C" at -56.173,27.159 h3 r315
  text "IO02" at 11.294,24.035 h2.5
  text "WS2812 LED :" at 31.794,24.035 h2.5
  text "Wim" at -39,23.6 h2 r351
  text "IO35" at 11.294,21.996 h2.5
  text "Batterij Monitor :" at 31.794,21.996 h2.5
  text "IO04" at 11.294,20.503 h2.5
  text "Blaster :" at 31.794,20.503 h2.5
  text "IO32" at 11.294,18.786 h2.5
  text "Zoemer :" at 31.794,18.786 h2.5
  text "IO25" at 1.5,17.75 h1.5
  text "IO00" at 11.294,16.804 h2.5
  text "Drukknop :" at 31.794,16.804 h2.5
  text "IO25" at 11.294,15.078 h2.5
  text "IR Ontvanger :" at 31.794,15.078 h2.5
  text "Boot" at -16.25,15 h2.8 r270
  text "VSYS - 3V3" at 15.15,13 h1.5
  text "IO27" at -19.391,10.095 h2.5
  text "IO14" at -9.391,10.095 h2.5
  text "IO13" at 2.109,10.095 h2.5
  text "V+" at 13.609,10.095 h2.5
  text "GND" at 23.609,10.095 h2.5
  text "IO34" at -25.367,1.6 h2 r270
  text "GND" at 24.163,1.546 h2 r270
  text "IO26" at -19.017,0.6 h2 r270
  text "IO10" at -17.747,0.6 h2 r270
  text "IO09" at -16.477,0.6 h2 r270
  text "IO15" at -15.207,0.6 h2 r270
  text "IO25" at -8.857,0.6 h2 r270
  text "IO00" at -7.587,0.6 h2 r270
  text "IO36" at -6.317,0.6 h2 r270
  text "IO32" at -5.047,0.6 h2 r270
  text "IO12" at -3.777,0.6 h2 r270
  text "SPI SCLK" at 2.573,0.6 h2 r270
  text "SPI MISO" at 3.843,0.6 h2 r270
  text "SPI MOSI" at 5.113,0.6 h2 r270
  text "IO04" at 6.383,0.6 h2 r270
  text "V+" at 7.653,0.6 h2 r270
  text "V+" at 14.003,0.6 h2 r270
  text "I2C SCL" at 15.273,0.6 h2 r270
  text "I2C SDA" at 16.543,0.6 h2 r270
  text "GND" at 17.813,0.546 h2 r270
  text ".Layer_Name" at 236.902,-46.311 h3.5
Top Paste:
  text ".Layer_Name" at 236.902,-46.311 h3.5
Bottom Paste:
  region: -57.496,66.319 -58.371,64.804 -55.978,63.422 -55.103,64.938
  region: -51.254,71.681 -50.379,73.196 -52.772,74.578 -53.647,73.062
  region: -55.443,73.712 -54.568,75.227 -56.3,76.227 -57.175,74.712
  region: -59.754,66.181 -58.879,67.696 -60.611,68.696 -61.486,67.181
  text ".Layer_Name" at 236.902,-46.311 h3.5
Top Solder:
  text ".Layer_Name" at 236.902,-46.311 h3.5
Bottom Solder:
  rectangle: -23.68,1 -19.18,4.5
  rectangle: -13.52,1 -9.02,4.5
  rectangle: -2.09,1 2.41,4.5
  rectangle: 9.34,1 13.84,4.5
  rectangle: 19.5,1 24,4.5
  text ".Layer_Name" at 236.902,-46.311 h3.5
Drill Guide:
  text ".Layer_Name" at 236.902,-46.311 h3.5
3D Symbols:
  text ".Layer_Name" at 236.902,-46.311 h3.5
Route Tool Path:
  drawing of 176 lines, arcs and shapes, not listed
Comments:
  drawing of 162 lines, arcs and shapes, not listed
  text ".Layer_Name" at 236.902,-46.311 h3.5
Fabrication:
  drawing of 1091 lines, arcs and shapes, not listed
  text "Matt Green Solder Mask" at -59,-14.5 h1.5
  text "Black Silkscreen" at -59,-17.5 h1.5
  text "1.6mm Thickness" at -59,-23.5 h1.5
  text ".Layer_Name" at 236.902,-46.311 h3.5
Top Placebound:
  region: 29.5,48.5 12.5,48.5 12.5,57.75 18.5,57.75 22.5,53.75 29.5,53.75
  text ".Layer_Name" at 236.902,-46.311 h3.5
Bottom Placebound:
  region: 10.5,48.5 27.5,48.5 27.5,57.75 21.5,57.75 17.5,53.75 10.5,53.75
  text ".Layer_Name" at 236.902,-46.311 h3.5
Frame:
  drawing of 15 lines, arcs and shapes, not listed
  text "Document" at 232.402,-31.311 h2
  text ".PCB_TITLE" at 233.902,-36.811 h3.2
  text "Layer Name" at 232.402,-41.311 h2
  text "Date" at 232.402,-51.311 h2
  text "Rev" at 272.402,-51.311 h2
  text ".Print_Date" at 235.402,-56.811 h3.5
  text ".PCB_REV" at 276.902,-56.811 h4
  text "Desginer" at 182.402,-61.311 h2
  text "Document" at 232.402,-61.311 h2
  text ".Pcb_File_Name_No_Path" at 233.902,-66.311 h1.5
  text ".PCB_ENGINEER" at 186.902,-66.811 h4
Top Assembly:
  text ".Layer_Name" at 236.902,-46.311 h3.5
Bottom Assembly:
  text ".Layer_Name" at 236.902,-46.311 h3.5
Drill Drawing:
  drawing of 154 lines, arcs and shapes, not listed
  text "Symbol" at 83.906,51.25 h0.96
  text "Count" at 90.704,51.25 h0.96
  text "Hole Size" at 98.736,51.25 h0.96
  text "Plated" at 114.498,51.25 h0.96
  text "Hole Type" at 121.296,51.25 h0.96
  text "Drill Layer Pair" at 131.133,51.25 h0.96
  text "Via/Pad" at 151.161,51.25 h0.96
  text "Pad Shape" at 159.079,51.25 h0.96
  text "Template" at 169.076,51.25 h0.96
  text "Hole Length" at 186.971,51.25 h0.96
  text "Routed Path Length" at 202.733,51.25 h0.96
  text "1" at 90.704,49.25 h0.8
  text "1,200mm (47,24mil)" at 98.736,49.25 h0.8
  text "PTH" at 114.498,49.25 h0.8
  text "Round" at 121.296,49.25 h0.8
  text "Top Layer - Bottom Layer" at 131.133,49.25 h0.8
  text "Pad" at 151.161,49.25 h0.8
  text "Rounded" at 159.079,49.25 h0.8
  text "c240h120" at 169.076,49.25 h0.8
  text "-" at 186.971,49.25 h0.8
  text "-" at 202.733,49.25 h0.8
  text "1" at 90.704,47.25 h0.8
  text "1,200mm (47,24mil)" at 98.736,47.25 h0.8
  text "PTH" at 114.498,47.25 h0.8
  text "Slot" at 121.296,47.25 h0.8
  text "Top Layer - Bottom Layer" at 131.133,47.25 h0.8
  text "Pad" at 151.161,47.25 h0.8
  text "Rounded" at 159.079,47.25 h0.8
  text "r480_240h120_360r100" at 169.076,47.25 h0.8
  text "3,600mm (141,73mil)" at 186.971,47.25 h0.8
  text "2,400mm (94,49mil)" at 202.733,47.25 h0.8
  text "1" at 90.704,45.25 h0.8
  text "2,500mm (98,43mil)" at 98.736,45.25 h0.8
  text "NPTH" at 114.498,45.25 h0.8
  text "Slot" at 121.296,45.25 h0.8
  text "Top Layer - Bottom Layer" at 131.133,45.25 h0.8
  text "Pad" at 151.161,45.25 h0.8
  text "Rounded" at 159.079,45.25 h0.8
  text "r900_250hn250_900r100" at 169.076,45.25 h0.8
  text "9,000mm (354,33mil)" at 186.971,45.25 h0.8
  text "6,500mm (255,91mil)" at 202.733,45.25 h0.8
  text "2" at 90.704,43.25 h0.8
  text "0,600mm (23,62mil)" at 98.736,43.25 h0.8
  text "PTH" at 114.498,43.25 h0.8
  text "Slot" at 121.296,43.25 h0.8
  text "Top Layer - Bottom Layer" at 131.133,43.25 h0.8
  text "Pad" at 151.161,43.25 h0.8
  text "Rounded" at 159.079,43.25 h0.8
  text "r100_160h60_120r100" at 169.076,43.25 h0.8
  text "1,200mm (47,24mil)" at 186.971,43.25 h0.8
  text "0,600mm (23,62mil)" at 202.733,43.25 h0.8
  text "2" at 90.704,41.25 h0.8
  text "0,600mm (23,62mil)" at 98.736,41.25 h0.8
  text "PTH" at 114.498,41.25 h0.8
  text "Slot" at 121.296,41.25 h0.8
  text "Top Layer - Bottom Layer" at 131.133,41.25 h0.8
  text "Pad" at 151.161,41.25 h0.8
  text "Rounded" at 159.079,41.25 h0.8
  text "r100_210h60_170r100" at 169.076,41.25 h0.8
  text "1,700mm (66,93mil)" at 186.971,41.25 h0.8
  text "1,100mm (43,31mil)" at 202.733,41.25 h0.8
  text "2" at 90.704,39.25 h0.8
  text "0,650mm (25,59mil)" at 98.736,39.25 h0.8
  text "NPTH" at 114.498,39.25 h0.8
  text "Round" at 121.296,39.25 h0.8
  text "Top Layer - Bottom Layer" at 131.133,39.25 h0.8
  text "Pad" at 151.161,39.25 h0.8
  text "Rounded" at 159.079,39.25 h0.8
  text "c65hn65" at 169.076,39.25 h0.8
  text "-" at 186.971,39.25 h0.8
  text "-" at 202.733,39.25 h0.8
  text "2" at 90.704,37.25 h0.8
  text "6,000mm (236,22mil)" at 98.736,37.25 h0.8
  text "NPTH" at 114.498,37.25 h0.8
  text "Round" at 121.296,37.25 h0.8
  text "Top Layer - Bottom Layer" at 131.133,37.25 h0.8
  text "Pad" at 151.161,37.25 h0.8
  text "Rounded" at 159.079,37.25 h0.8
  text "c0hn600m620" at 169.076,37.25 h0.8
  text "-" at 186.971,37.25 h0.8
  text "-" at 202.733,37.25 h0.8
  text "4" at 90.704,35.25 h0.8
  text "0,900mm (35,43mil)" at 98.736,35.25 h0.8
  text "NPTH" at 114.498,35.25 h0.8
  text "Round" at 121.296,35.25 h0.8
  text "Top Layer - Bottom Layer" at 131.133,35.25 h0.8
  text "Pad" at 151.161,35.25 h0.8
  text "Rounded" at 159.079,35.25 h0.8
  text "c90hn90" at 169.076,35.25 h0.8
  text "-" at 186.971,35.25 h0.8
  text "-" at 202.733,35.25 h0.8
  text "5" at 90.704,33.25 h0.8
  text "0,800mm (31,50mil)" at 98.736,33.25 h0.8
  text "PTH" at 114.498,33.25 h0.8
  text "Slot" at 121.296,33.25 h0.8
  text "Top Layer - Bottom Layer" at 131.133,33.25 h0.8
  text "Pad" at 151.161,33.25 h0.8
  text "Rounded" at 159.079,33.25 h0.8
  text "r230_160h80_150r100" at 169.076,33.25 h0.8
  text "1,500mm (59,06mil)" at 186.971,33.25 h0.8
  text "0,700mm (27,56mil)" at 202.733,33.25 h0.8
  text "5" at 90.704,31.25 h0.8
  text "1,200mm (47,24mil)" at 98.736,31.25 h0.8
  text "NPTH" at 114.498,31.25 h0.8
  text "Round" at 121.296,31.25 h0.8
  text "Top Layer - Bottom Layer" at 131.133,31.25 h0.8
  text "Pad" at 151.161,31.25 h0.8
  text "Rounded" at 159.079,31.25 h0.8
  text "c120hn120" at 169.076,31.25 h0.8
  text "-" at 186.971,31.25 h0.8
  text "-" at 202.733,31.25 h0.8
  text "5" at 90.704,29.25 h0.8
  text "4,000mm (157,48mil)" at 98.736,29.25 h0.8
  text "PTH" at 114.498,29.25 h0.8
  text "Round" at 121.296,29.25 h0.8
  text "Top Layer - Bottom Layer" at 131.133,29.25 h0.8
  text "Pad" at 151.161,29.25 h0.8
  text "Rounded" at 159.079,29.25 h0.8
  text "c500h400" at 169.076,29.25 h0.8
  text "-" at 186.971,29.25 h0.8
  text "-" at 202.733,29.25 h0.8
  text "9" at 90.704,27.25 h0.8
  text "0,900mm (35,43mil)" at 98.736,27.25 h0.8
  text "PTH" at 114.498,27.25 h0.8
  text "Round" at 121.296,27.25 h0.8
  text "Top Layer - Bottom Layer" at 131.133,27.25 h0.8
  text "Pad" at 151.161,27.25 h0.8
  text "(Mixed)" at 159.079,27.25 h0.8
  text "(Mixed)" at 169.076,27.25 h0.8
  text "-" at 186.971,27.25 h0.8
  text "-" at 202.733,27.25 h0.8
  text "206" at 90.704,25.25 h0.8
  text "0,250mm (9,84mil)" at 98.736,25.25 h0.8
  text "PTH" at 114.498,25.25 h0.8
  text "Round" at 121.296,25.25 h0.8
  text "Top Layer - Bottom Layer" at 131.133,25.25 h0.8
  text "Via" at 151.161,25.25 h0.8
  text "Rounded" at 159.079,25.25 h0.8
  text "v60h25m0mx50" at 169.076,25.25 h0.8
  text "-" at 186.971,25.25 h0.8
  text "-" at 202.733,25.25 h0.8
  text "245 Total" at 90.704,23.25 h0.8
  text "Slot definitions :" at 83.906,21.284 h0.8
  text "Routed Path Length" at 97.722,21.284 h0.8
  text "= Calculated from tool start centre position to tool end centre position." at 112.471,21.284 h0.8
  text "Hole Length" at 97.722,19.917 h0.8
  text "= Routed Path Length + Tool Size = Slot length as defined in the PCB layout" at 107.006,19.917 h0.8
  text ".Layer_Name" at 236.902,-46.311 h3.5
Panel:
  circle w0.1: c-39.707,108.952 r1.5
  circle w0.1: c-46.707,86.952 r1.5
  circle w0.1: c46.75,87 r1.5
  circle w0.1: c39.75,109 r1.5
  circle w0.1: c-31.017,13.726 r1.5
  circle w0.1: c-46.267,24.726 r1.5
  circle w0.1: c46.25,24.75 r1.5
  circle w0.1: c31,13.75 r1.5
  circle w0.1: c-0.25,91.75 r1.5
  circle w0.1: c21.25,109 r1.5
  circle w0.1: c-21,108.5 r1.5
  lines w0.15: -62,30.25 -62,0 -27,0 ; -62,78.75 -62,118 62,118 62,78.75 ; -46.957,88.452 -46.957,98.952 ; -46.517,18.726 -46.517,23.226 ; -45.457,100.702 -45.457,103.452 -40.957,107.952 ; -35.267,17.726 -34.267,17.726 -31.767,15.226 ; -26.5,0.5 -26.25,0.75 ; -26,0.5 -26.25,0.75 ; -20,107.25 -10.75,98 -8.5,98 ; 0,93.5 1.5,95 1.5,97 ; 15.25,98 16,98 20,102 20,108.25 ; 26,0.5 26.25,0.75 ; 26.5,0.5 26.25,0.75 ; 27,-2.25 -25,-2.25 -26.25,-1 -26.25,0.75 ; 27,-1.75 26.25,-1 26.25,0.75 ; 27,0 62,0 62,30.25 ; 31.75,15.25 34.25,17.75 35.25,17.75 ; 41,108 45.5,103.5 45.5,100.75 ; 46.5,18.75 46.5,23.25 ; 47,88.5 47,99
  text "Increase panel size for assembly process." at -16.771,107.026 h0.8
  text "Approx. location of mousebites" at 37.377,99.671 h0.8
  text "Approx. location of mousebites" at -59.288,99.555 h0.8
  text "Approx. location of mousebites" at -7.85,97.667 h0.8
  text "Approx. location of mousebites" at -58.655,17.412 h0.8
  text "Approx. location of mousebites" at 35.742,17.406 h0.8
  text "Increase panel size for assembly process." at -61.35,0.917 h0.8
  text "Increase panel size for assembly process." at 29.65,0.667 h0.8
  text "No mousebites on these sides" at 27.4,-2.6 h0.8
  text ".Layer_Name" at 236.902,-46.311 h3.5

## Dimensions
-30.389,117.956 to -22.85,0.029 on Fabrication
-67.5,59.25 to 67.5,58.75 on Fabrication
26,3 to -26,3 on Fabrication

## Text inside footprints (layer, text, board x,y; h text height)
BAT1: Bottom Assembly "+" at -36.298,33.252 h1; Bottom Overlay "+" at -36.798,35.002 h2
J1: Comments "PCB EDGE" at 55.231,30.644 h0.8 r236
J2: Comments "PCB Edge" at -60.991,70.131 h0.61 r240
MOD2: Comments "Tx" at 12.495,64.14 h0.8; Comments "Rx" at 12.495,66.68 h0.8; Comments "GND" at -13.246,66.68 h0.8; Comments "Vin" at -13.246,69.22 h0.8
P5: Bottom Overlay "1" at -14.545,70.71 h1.02 r270
P7: Top Layer "0" at -23.59,1.071 h2.3; Top Layer "VCC" at 9.43,1.071 h2.3; Top Layer "2" at -2,1.071 h2.3; Top Layer "1" at -13.43,1.071 h2.3; Top Layer "GND" at 19.59,1.071 h2.3
P8: Bottom Overlay "1" at 14.995,70.71 h1.02 r270; Bottom Overlay "5" at 14.995,57.77 h1.02 r270